# KiCad board gd rev3.kicad_pcb (continued)
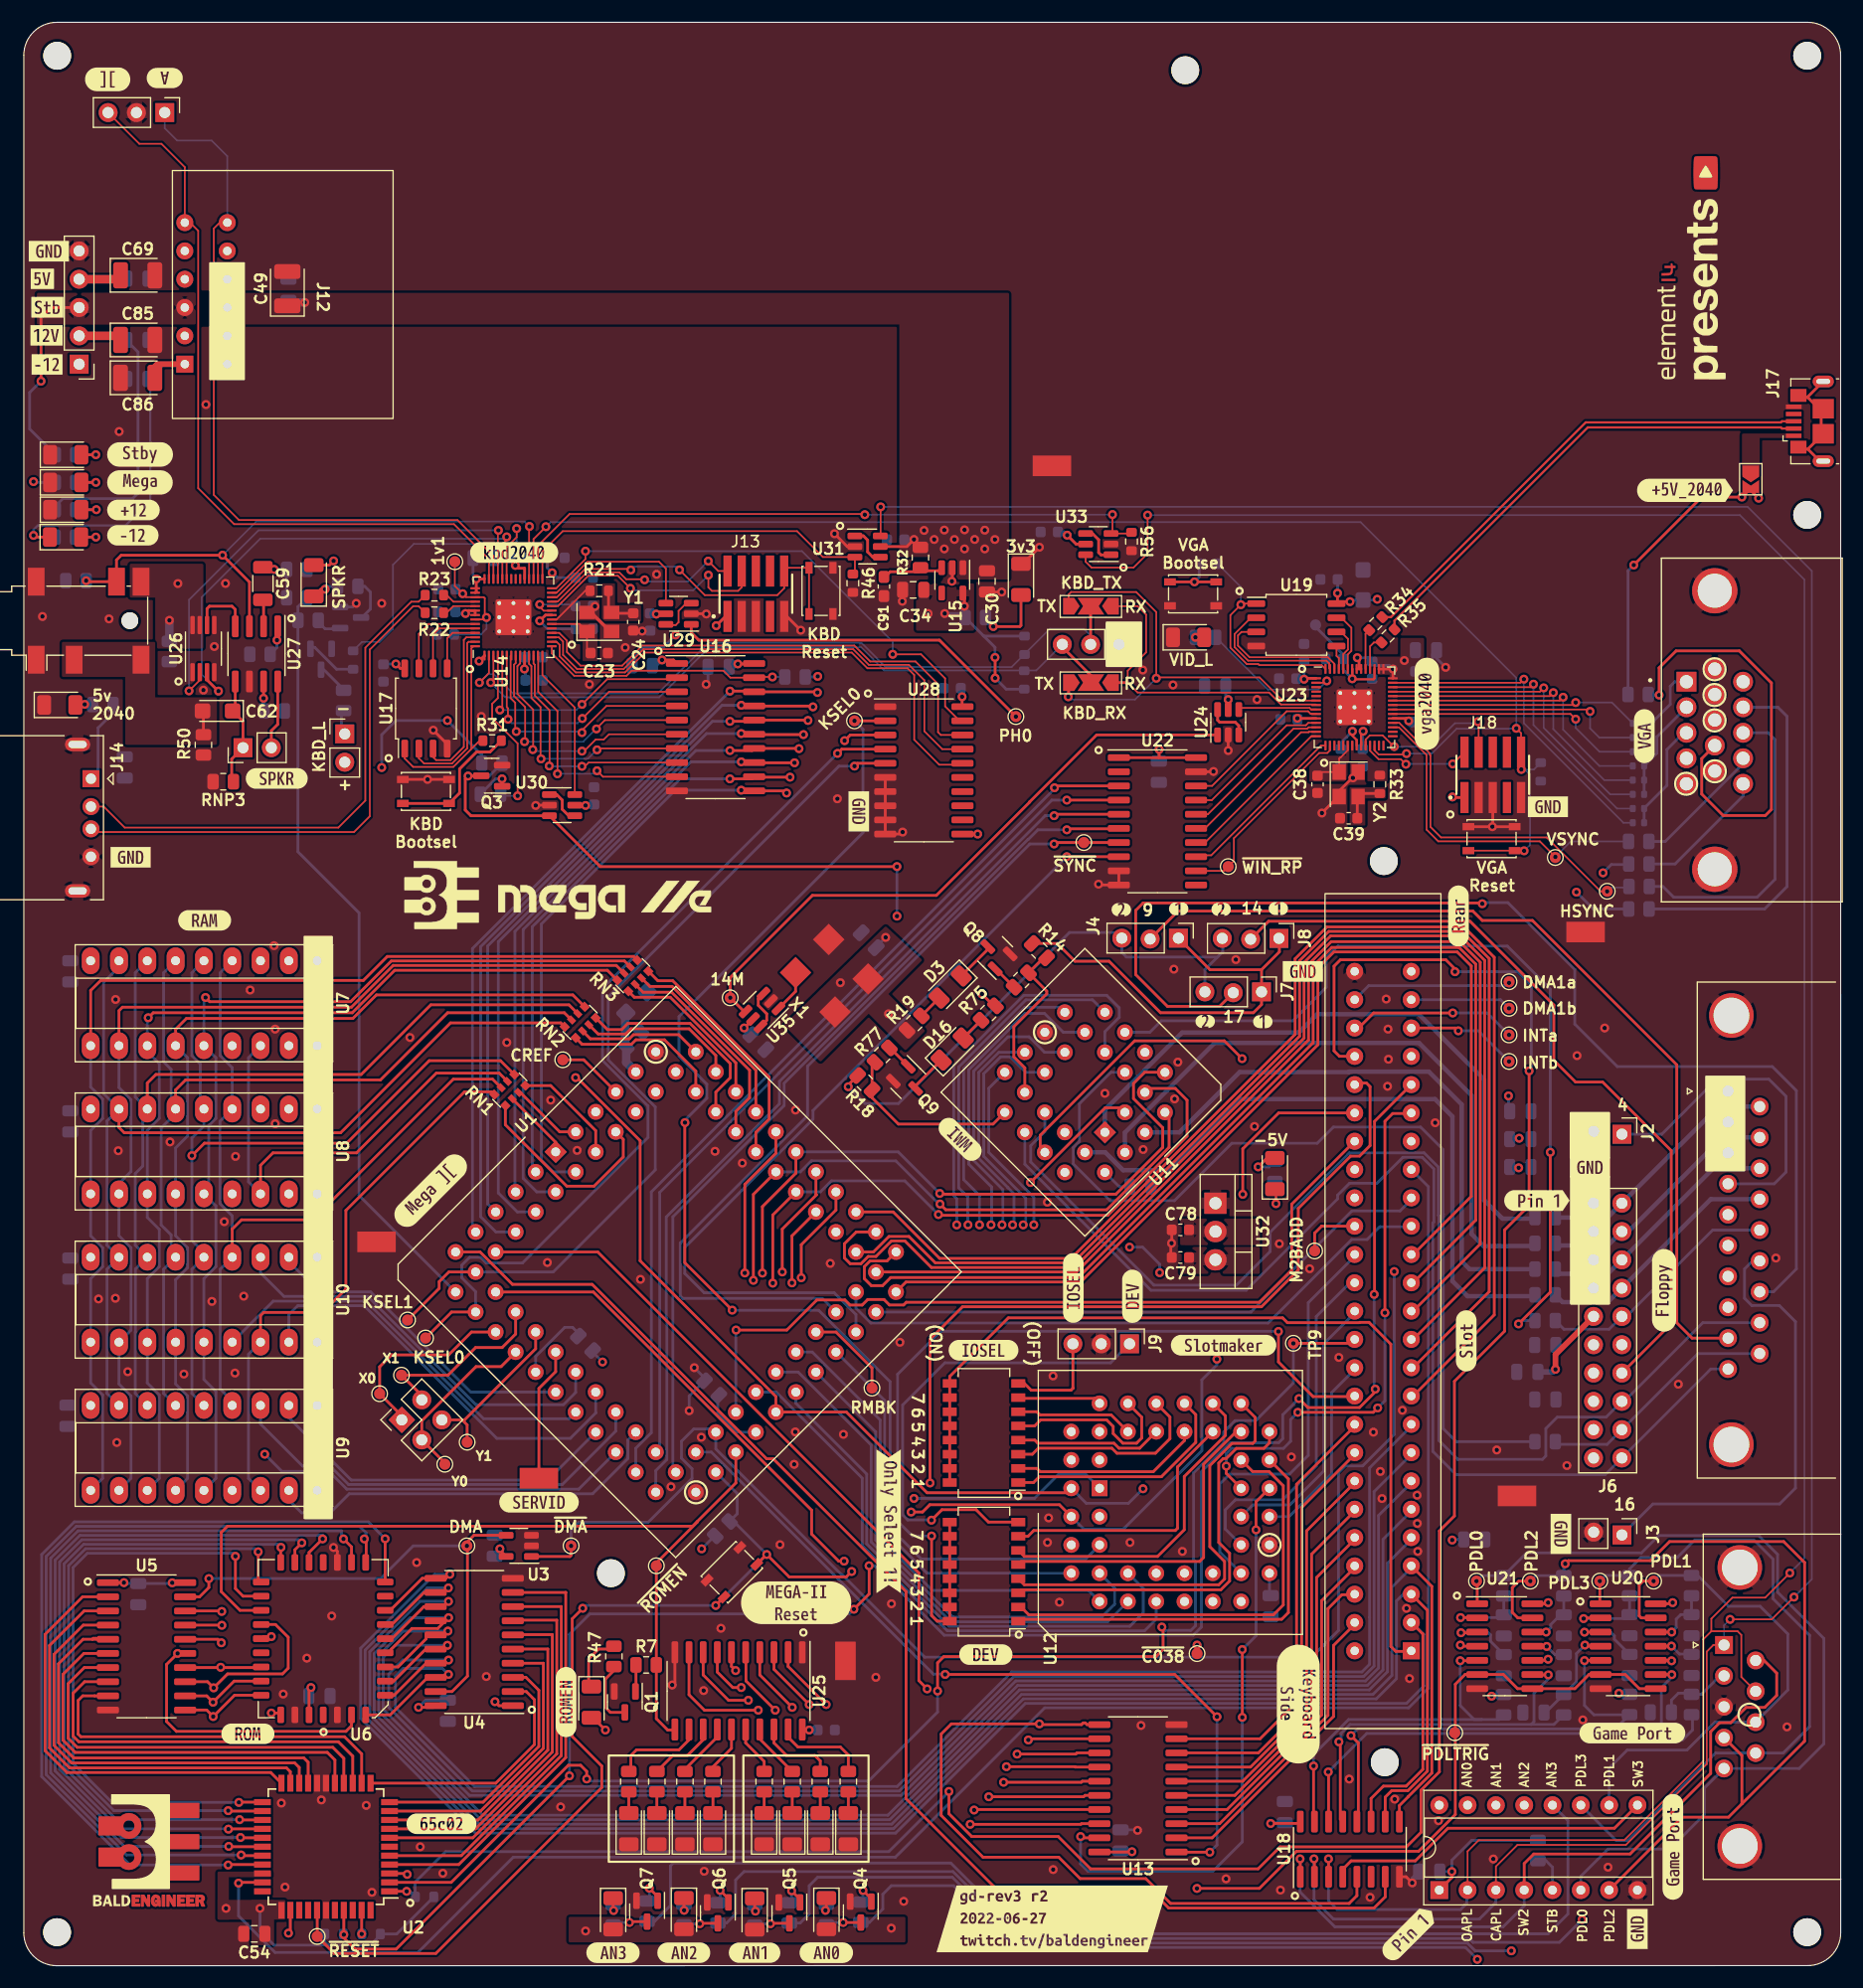
[diagram p0: board, top side]
## Nets (continued)
/Slot/AN3: J11.12 R67.2 U12.17
/Slot/B7M: J10.36 U12.19
/Slot/BPH0: J10.40 U12.22
/Slot/BPH1: J10.38 U12.23
/Slot/BQ3: J10.37 U12.21
/Slot/DMA1a: J10.27 TP4.1
/Slot/DMA1b: J10.24 TP7.1
/Slot/INTa: J10.28 TP5.1
/Slot/INTb: J10.23 TP6.1
/Slot/M2BADD_(NC): J10.35 TP8.1
/Slot/MDI-MDO: U1.36 U13.1
/Slot/PH0: TP20.1 U1.81 U2.35 U12.1 U28.11 U29.1
/Slot/RW: J10.18 U1.41 U2.32 U12.44 U28.3
/Slot/S0: U1.42 U12.11
/Slot/S1: U1.43 U12.10
/Slot/S2: U1.44 U12.9
/Slot/S3: U1.45 U12.8
/Slot/S4: U1.46 U12.7
/Slot/S5: U1.47 U12.6
/Slot/SDBUS0: J10.49 U13.2
/Slot/SDBUS1: J10.48 U13.3
/Slot/SDBUS2: J10.47 U13.4
/Slot/SDBUS3: J10.46 U13.5
/Slot/SDBUS4: J10.45 U13.6
/Slot/SDBUS5: J10.44 U13.7
/Slot/SDBUS6: J10.43 U13.8
/Slot/SDBUS7: J10.42 U13.9
/Slot/SYNC_6502: J10.39 TP9.1 U2.2
/Slot/~{C038}: TP16.1 U12.13
/Slot/~{DEV1}: SW2.1 U12.26
/Slot/~{DEV2}: SW2.2 U12.27
/Slot/~{DEV3}: SW2.3 U12.28
/Slot/~{DEV4}: SW2.4 U12.29
/Slot/~{DEV5}: SW2.5 U12.30
/Slot/~{DEV6}: SW2.6 U12.31
/Slot/~{DEV7}: SW2.7 U12.32
/Slot/~{DEVx}: J9.1 SW2.8
/Slot/~{DEV}: J10.41 SW2.9 SW2.10 SW2.11 SW2.12 SW2.13 SW2.14 SW2.15 SW2.16
/Slot/~{DMA}: J10.22 TP26.1 U1.38 U3.1
/Slot/~{EN245}: U12.24 U13.19
/Slot/~{INH}: J10.32 U1.40
/Slot/~{INTDEV1}: U12.40
/Slot/~{INTDEV2}: U12.41
/Slot/~{INTDEV5}: U12.42
/Slot/~{INTDEV7}: U12.43
/Slot/~{IOSEL1}: SW3.1 U12.33
/Slot/~{IOSEL2}: SW3.2 U12.34
/Slot/~{IOSEL3}: SW3.3 U12.35
/Slot/~{IOSEL4}: SW3.4 U12.36
/Slot/~{IOSEL5}: SW3.5 U12.37
/Slot/~{IOSEL6}: SW3.6 U12.38
/Slot/~{IOSEL7}: SW3.7 U12.39
/Slot/~{IOSELx}: J9.3 SW3.8
/Slot/~{IOSEL}: J10.1 SW3.9 SW3.10 SW3.11 SW3.12 SW3.13 SW3.14 SW3.15 SW3.16
/Slot/~{IOSTRB}: J10.20 U12.25
/Slot/~{IRQ}: J10.30 R1.2 U1.15 U2.43
/Slot/~{NMI}: J10.29 R2.2 U2.1
/Slot/~{RDY}: J10.21 R3.2 U2.41
/VID_RX: JP1.1 JP2.1 U23.7
/VID_TX: JP1.3 JP2.3 U23.6
/video/14M_RP: U23.8 U24.4
/video/BLU0: R38.2 U23.41
/video/BLU1: R39.2 U23.40
/video/D_N: R35.2 U23.46
/video/D_P: R34.2 U23.47
/video/GRN0: R40.2 U23.39
/video/GRN1: R41.2 U23.38
/video/GRN2: R42.2 U23.37
/video/HSYNC: R54.2 TP24.1 U23.32
/video/RED0: R43.2 U23.36
/video/RED1: R44.2 U23.35
/video/RED2: R45.2 U23.34
/video/RGB1_RP: U22.14 U23.14
/video/RGB2_RP: U22.15 U23.13
/video/RGB4_RP: U22.16 U23.12
/video/RGB8_RP: U22.17 U23.11
/video/USB_D+: J17.3 R34.1
/video/USB_D-: J17.2 R35.1
/video/VGA_B: J22.3 R38.1 R39.1
/video/VGA_G: J22.2 R40.1 R41.1 R42.1
/video/VGA_R: J22.1 R43.1 R44.1 R45.1
/video/VGA_SCL: J22.15 RNP2.1
/video/VGA_SDA: J22.12 RNP1.1
/video/vid_LED_L: R36.1 U23.2
/video/vid_QSPI_SCLK: U19.6 U23.52
/video/vid_QSPI_SD0: U19.5 U23.53
/video/vid_QSPI_SD1: U19.2 U23.55
/video/vid_QSPI_SD2: U19.3 U23.54
/video/vid_QSPI_SD3: U19.7 U23.51
/video/vid_QSPI_SS: R73.2 U19.1 U23.56
/video/vid_SWCLK: J18.04 U23.24
/video/vid_SWD: J18.02 U23.25
/video/vid_XIN: C38.1 U23.20 Y2.1
/video/vid_XOUT: R33.1 U23.21
/video/VSYNC: R55.2 TP23.1 U23.31
/video/~{RESET_RP}: U22.18 U23.9
/video/~{RESET}: U22.2
/video/~{SYNC_RP}: U22.13 U23.15
/video/~{WINDOW_RP}: TP22.1 U22.12 U23.16
Net-(C24-Pad1): C24.1 R21.2 Y1.3
Net-(C39-Pad1): C39.1 R33.2 Y2.3
Net-(C47-Pad1): C47.1 U20.3
Net-(C52-Pad1): C52.1 U21.3
Net-(C53-Pad1): C53.1 R62.2 U21.2
Net-(C59-Pad2): C59.2 U27.2
Net-(C60-Pad1): C60.1 U27.7
Net-(C70-Pad1): C70.1 R63.2 U20.2
Net-(C71-Pad1): C71.1 U20.11
Net-(C72-Pad1): C72.1 U21.11
Net-(C73-Pad1): C73.1 R70.2 U20.12
Net-(C74-Pad1): C74.1 R71.2 U21.12
Net-(D1-Pad1): D1.1 R47.1
Net-(D2-Pad1): D2.1 R48.2
Net-(D3-Pad1): D3.1 Q8.3
Net-(D3-Pad2): D3.2 R19.2
Net-(D4-Pad2): D4.2 R27.2
Net-(D5-Pad2): D5.2 R28.2
Net-(D6-Pad2): D6.2 R29.2
Net-(D7-Pad2): D7.2 R26.2
Net-(D8-Pad2): D8.2 R51.2
Net-(D10-Pad2): D10.2 R30.2
Net-(D11-Pad2): D11.2 R36.2
Net-(D12-Pad1): D12.1 R58.1
Net-(D13-Pad1): D13.1 R64.1
Net-(D14-Pad1): D14.1 R66.1
Net-(D15-Pad1): D15.1 R72.1
Net-(D16-Pad1): D16.1 Q9.3
Net-(D16-Pad2): D16.2 R75.2
Net-(D17-Pad2): D17.2 R74.2
Net-(D18-Pad2): D18.2 R78.2
Net-(D19-Pad2): D19.2 R81.2
Net-(D20-Pad2): D20.2 R82.2
Net-(D21-Pad2): D21.2 R85.2
Net-(D22-Pad2): D22.2 R86.2
Net-(D23-Pad2): D23.2 R89.2
Net-(D24-Pad2): D24.2 R90.2
Net-(D25-Pad2): D25.2 R83.2
Net-(J4-Pad2): J4.2 J5.9
Net-(J5-Pad17): J5.17 J7.2
Net-(J6-Pad14): J6.14 J8.2
Net-(J17-Pad1): J17.1 JP3.1
Net-(J22-Pad9): J22.9 R37.2
Net-(J22-Pad13): J22.13 R54.1
Net-(J22-Pad14): J22.14 R55.1
Net-(Q1-Pad1): Q1.1 R7.1
Net-(Q1-Pad3): Q1.3 R47.2
Net-(Q2-Pad1): Q2.1 R10.1
Net-(Q2-Pad3): Q2.3 R48.1
Net-(Q3-Pad1): Q3.1 R52.1
Net-(Q4-Pad1): Q4.1 R57.1
Net-(Q4-Pad3): Q4.3 R58.2
Net-(Q5-Pad1): Q5.1 R61.1
Net-(Q5-Pad3): Q5.3 R64.2
Net-(Q6-Pad1): Q6.1 R65.1
Net-(Q6-Pad3): Q6.3 R66.2
Net-(Q7-Pad1): Q7.1 R67.1
Net-(Q7-Pad3): Q7.3 R72.2
Net-(Q8-Pad1): Q8.1 R76.2
Net-(Q9-Pad1): Q9.1 R77.2
Net-(Q10-Pad1): Q10.1 R84.1
Net-(R24-Pad2): R24.2 U16.1
Net-(R31-Pad1): R31.1 SW5.2
Net-(R73-Pad1): R73.1 SW6.2
Net-(R74-Pad1): R74.1 U25.12
Net-(R78-Pad1): R78.1 U25.16
Net-(R80-Pad1): J24.1 R80.1
Net-(R80-Pad2): Q10.3 R80.2
Net-(R81-Pad1): R81.1 U25.13
Net-(R82-Pad1): R82.1 U25.17
Net-(R85-Pad1): R85.1 U25.14
Net-(R86-Pad1): R86.1 U25.18
Net-(R89-Pad1): R89.1 U25.15
Net-(R90-Pad1): R90.1 U25.19
Net-(U15-Pad3): C91.1 R32.2 U15.3
Net-(U24-Pad3): U24.3 U24.6
Net-(U30-Pad1): U30.1 U30.4
Net-(U31-Pad1): U31.1 U31.4
Net-(U33-Pad1): U33.1 U33.4
Net-(U35-Pad3): U35.3 U35.6

Pads without a net: J6 19; J10 19; J11 16; J12 9 10; J13 06 07 08; J17 4 6; J18 06 07 08; J22 4 11; U2 6 33 36 37 40 42 44; U6 1 12 17 26; U14 34 35 36; U15 4; U18 6; U22 11; U23 3 4 5 17 18 27 28 29 30; U28 12 13 14 15

## Via types
v1: diameter 0.8, hole 0.4, Top to Bottom, 543 vias

## Routing (per net, layer and track width the routed paths; a pad name or vN(x,y) marks a point on that pad's centre or on a via; arc(x,y) is an arc through that point)
+1V1: length 24.4
  Top w0.152: v1(46.29,122.14) 46.29,121.94 46.64,121.58 47.36,121.58 ; U14.50 41.18,120.79 41.36,120.97 41.36,122.7 41.27,122.79 U14.45 ; 40.04,122.8 39.68,122.8 v1(39.38,123.1) 38.67,123.81 TP33.1
  In2.Cu w0.152: v1(41.51,120.97) 41.51,122.78 41.96,123.23 45.88,123.23 46.29,122.82 v1(46.29,122.14)
  Bottom w0.152: v1(41.51,120.97) 41.51,119.95 41,119.45 C22.1 ; 49.38,122.14 v1(46.29,122.14)
  Bottom w0.25: 38.97,123.51 v1(39.38,123.1)
+1V2: length 20.7
  Top w0.203: v1(120.17,110.77) 119.99,110.59 U23.23 ; U23.50 119.2,116.34 119.2,115.48 119.25,115.43 121.1,115.43 121.19,115.52 U23.45
  Top w0.25: v1(119.19,115.47) 119.2,115.48
  In2.Cu w0.25: v1(120.17,110.77) 120.97,110.77 121.48,111.28 121.48,115.03 121.03,115.47 v1(119.19,115.47)
  Bottom w0.25: v1(120.17,110.77) 120.13,110.73 120.13,109.16 ; v1(119.19,115.47) 118.36,116.3 C43.1 118.36,117.66 115.92,120.1 115.92,120.3
+3V3: length 88.9
  Top w0.203: U23.48 U23.49 ; U23.22 119.59,109.98 119.06,110.51
  Top w0.25: v1(56.75,121.28) 57.58,121.28 ; v1(101.86,109.13) 101.86,108.42 101.84,108.4 ; v1(119.64,117.36) 119.8,117.21 119.8,116.35 ; U24.5 v1(108.06,113.61) ; v1(114.27,111.93) 114.28,111.92 U23.10 ; U14.1 41.33,117.54 v1(40.85,117.06) ; U22.1 101.84,108.4 ; 101.84,108.4 U22.20 ; 117.78,122.22 117.95,122.39 v1(118.98,122.39) ; v1(50.4,104.11) 49.47,104.11 ; v1(44.1,125.64) 44.36,125.39 44.92,125.39 44.93,125.37 U14.33 ; v1(44.92,116.35) 44.93,116.37 U14.10 ; v1(84.39,121.99) 84.39,123.03 ; v1(117.87,123.16) 117.87,122.31 ; U14.22 46.81,121.19 v1(46.29,120.67) ; v1(87.14,117.39) 87.15,117.38 v1(87.15,115.54) ; U14.44 40.6,123.29 v1(40.6,124.43) 40.6,124.43 U14.42 ; 62.96,121.07 v1(62.13,120.24) ; J18.01 128.23,104.82 v1(128.18,104.87) ; U17.8 33.79,116.4 v1(33.38,116.81) ; U23.44 121.59,116.35 v1(122.84,116.35) 122.84,115.54 U23.42 ; U23.1 114.95,115.52 v1(114.87,115.43) ; v1(119.21,110.76) 119.06,110.61 119.06,110.51 ; v1(84.18,113.86) 84.18,113 ; U23.33 124.03,111.92 v1(124.26,111.69) ; U14.49 U14.48 39.9,121.59 v1(39.63,121.33)
  Bottom w0.25: v1(50.4,104.11) 50.49,104.19 C76.1 ; v1(40.6,124.43) 40.31,124.71 C26.1 ; v1(39.63,121.33) 38.88,121.33 ; C25.1 46.97,125.42 v1(47.41,124.98) 47.84,124.55 C33.1 ; C40.1 117.88,123.17 v1(117.87,123.16) ; v1(141.69,98.06) 142.44,98.81 143.81,98.81 ; RDNP1.1 86.13,119.3 86.09,119.35 ; 118.17,109.16 118.17,109.72 v1(119.21,110.76) ; 124.36,111.59 v1(124.26,111.69) ; v1(101.86,109.13) 101.84,109.11 101.84,108.08 ; C31.1 45.01,116.26 v1(44.92,116.35) 44.92,117.33 ; 86.09,119.35 87.14,118.29 v1(87.14,117.39) ; 86.09,119.35 R51.1 84.46,121.92 v1(84.39,121.99) ; 49.63,119.95 47,119.95 v1(46.29,120.67) ; C77.1 56.69,121.34 v1(56.75,121.28) ; v1(84.18,113.86) 84.07,113.97 C82.1 ; v1(122.84,116.35) 122.53,116.67 121.33,116.67 120.63,117.36 v1(119.64,117.36) ; C51.1 107.84,113.83 v1(108.06,113.61) ; 43.67,126.08 v1(44.1,125.64) ; v1(139.3,96.33) 140.82,94.82 143.54,94.82 143.98,95.26 ; v1(82.63,121.33) 84.1,121.33 ; RDNP2.1 88.14,114.54 v1(87.15,115.54) ; v1(114.87,115.43) C68.1 ; v1(121.44,122.61) 121.36,122.54 C35.1 119.13,122.54 v1(118.98,122.39) ; v1(33.38,116.81) 32.31,116.81
  vias: v1(81.14,121.33) v1(123.86,117.11)
+5V: length 170.2
  Top w0.25: v1(70.47,21.15) 70.42,21.19 U25.20 ; U6.32 25.59,24.79 v1(25.76,24.96) ; v1(27.8,126.05) 27.42,125.67 D2.2 ; U20.14 147.84,32.48 v1(147.94,32.58) ; U13.20 99.4,10.2 v1(99.42,10.23) ; v1(147.84,27.36) 147.8,27.4 U20.10 ; U3.5 42.72,37.28 v1(42.72,37.41) ; v1(128.89,28.77) 128.99,28.67 U21.4 ; v1(42.27,23.69) 42.63,23.33 U4.1 ; v1(136.76,32.58) 136.66,32.48 U21.14 ; v1(34.4,8.19) 34.32,8.28 U2.3 ; U5.1 v1(8.99,34.37) ; J11.1 128.13,7.92 v1(128.13,8.45) ; v1(140.06,28.77) 140.17,28.67 U20.4 ; v1(13.32,34.36) 14.46,34.36 ; U6.25 21.49,29.53 v1(22.21,29.53) ; v1(35.42,23.18) 36.8,23.18 ; v1(136.76,27.5) 136.66,27.4 U21.10 ; v1(111.87,12.77) 114.36,12.77 ; 65.43,84.94 v1(64.63,84.14) ; 51.08,22.25 v1(52.18,21.15) ; 87.02,86.13 v1(85.96,87.19)
  Top w0.762: 8.25,151.32 4.97,151.32
  In1.Cu w0.25: v1(13.83,124.02) 13.83,128.59 10.52,131.89 1.63,131.89 0.87,132.65 v1(0.87,133.16)
  In2.Cu w0.25: v1(60.82,37.4) 59.29,37.4 58.78,36.9 59.07,36.61 59.07,23.21 ; 46.52,45.28 52.3,51.06 52.3,53.79 v1(51.93,54.17)
  Bottom w0.25: v1(70.47,21.15) C65.1 ; 27.29,1.84 22.46,1.84 21.19,3.11 v1(21.19,5.15) ; 27.29,1.84 27.01,2.12 R3.1 ; 27.29,1.84 31.1,1.84 31.99,2.74 ; R2.1 33.46,2.85 R1.1 ; C1.1 36.06,23.83 v1(35.42,23.18) ; C84.1 111.94,12.83 v1(111.87,12.77) ; v1(99.42,10.23) 98.47,10.23 ; v1(25.76,24.96) 25.76,24.38 ; R68.1 150.52,24.35 152.18,26.01 ; v1(140.06,28.77) 139.3,28.01 139.3,25.49 R69.1 136.53,22.72 ; v1(131.69,24.18) 131.84,24.33 R60.1 ; C12.1 98.26,69.92 U11.26 ; v1(13.32,34.36) 13.25,34.29 C2.1 9.07,34.29 v1(8.99,34.37) ; 42.25,36.94 v1(42.72,37.41) ; 61.98,38.57 v1(60.82,37.4) ; R20.1 129.91,11.25 128.13,9.46 v1(128.13,8.45) C83.1 ; 149.53,24.45 148.45,24.45 147.83,23.83 C80.1 ; v1(64.63,84.14) C75.1 ; v1(0.87,133.16) 0.94,133.09 R29.1 ; C61.1 22.72,118.28 v1(22.72,118.94) ; v1(133.21,78.04) 133.21,76.78 ; 51.04,55.05 v1(51.93,54.17) ; R59.1 143.21,24.35 v1(143.11,24.45) ; 8.81,151.68 8.45,151.32 ; 76.47,91.42 v1(77.33,92.27) ; U12.18 111.76,33.32
  Bottom w0.762: U1.77 54.05,81.06 C4.1 ; C58.1 v1(13.06,120.72) ; 53.96,85.35 53.96,82.54 ; 8.45,151.32 4.97,151.32
  vias: v1(18.14,5.15) v1(50.4,3.11) v1(73.26,88.2) v1(77.58,85.41) v1(77.83,3.37)
+5V_2040: length 140.3
  Top w0.25: U31.5 79.23,127.34 v1(79.87,127.97) ; U33.5 94.42,127.56 v1(93.62,128.36) ; v1(144.45,125.68) 150.55,131.78 v1(154.15,131.78) 154.95,132.58 ; J15.3 2.45,148.78 1.55,147.88 v1(1.55,142.18) ; 154.95,132.38 v1(155.65,131.68) ; v1(64.07,116.81) 65.49,116.81
  In2.Cu w0.25: 82.2,127.93 76.05,127.93 71.23,123.11 v1(71.23,115.69) 71.23,116.04 70.47,116.81 64.07,116.81 v1(64.07,116.81) 61.48,119.4 v1(58.48,119.4) 56.7,119.4 54.26,116.96 51.01,116.96 47.86,113.81 39.53,113.81 38.01,112.28 v1(38.01,111.73)
  Bottom w0.25: C41.1 93.33,128.65 v1(93.62,128.36) ; v1(1.55,142.18) 0.53,141.16 0.53,137.88 R30.1 ; R37.1 143.93,125.16 v1(144.45,125.68) ; R25.1 71.18,115.64 v1(71.23,115.69) ; C6.1 63.81,116.55 v1(64.07,116.81) ; 6.66,107.14 6.66,111.06 8.01,112.41 R26.1 ; v1(79.87,127.97) 79.84,127.95 C36.1 ; v1(58.48,119.4) 57.41,118.33 55.69,118.33 54.57,117.21 ; R53.2 41.09,108.64 v1(38.01,111.73) 33.38,111.73 32.11,110.46 v1(32.11,107.51)
  Bottom w0.762: v1(25.21,149.24) 23.85,149.24
  vias: v1(80.77,128.79) v1(81.68,127.97) v1(82.59,128.82) v1(82.59,127.13) v1(83.5,127.97) v1(84.4,128.84) v1(84.4,127.13) v1(85.31,127.97) v1(86.22,128.81) v1(86.22,127.13) v1(87.13,127.97)
+12V: length 31
  Top w0.762: 4.97,146.24 8.34,146.24 8.71,145.88
  Bottom w0.25: C17.1 128.21,38.25 v1(128.16,38.2) ; C89.1 10.25,144.79 10.25,132.12 9.76,131.64 3.51,131.64 2.83,130.96
  Bottom w0.762: 8.94,146.24 4.97,146.24
-5V: length 39.6
  Top w0.203: 112.25,68.48 112.35,68.58 112.35,69.58
  Top w0.508: 112.25,68.48 v1(112.35,68.38)
  In1.Cu w0.203: v1(112.35,68.38) 112.87,68.9 J10.34
  In2.Cu w0.508: 119.72,68.9 120.99,70.17 127.99,70.17 129.41,71.59 v1(134.12,71.59) ; U32.3 113.85,63.34 J10.34
  Bottom w0.508: v1(134.12,71.59) 133.39,71.59
-12V: length 332.4
  Top w0.25: v1(0.87,128.34) 1.03,128.18 D4.1
  Top w0.508: 11.78,142.48 11.78,143.51 11.97,143.7 J12.1 ; J6.9 137.42,54.84 v1(137.42,53.51)
  In1.Cu w0.508: J6.9 142.09,57 146.86,57 148.19,58.33 148.19,67.41 ; 5.24,143.98 14.17,143.98 ; 148.19,67.41 148.21,67.39 J5.5 ; 148.19,67.41 147.6,68.01 147.6,141.38 146.92,142.05 16.17,142.05 14.52,143.7
  In2.Cu w0.508: J6.9 139.23,58.26 138.65,58.84 138.65,73.21 137.56,74.3 134.22,74.3 v1(134.17,74.25) 129.14,74.25 127.57,72.68 120.65,72.68 J10.33 113.85,65.88 U32.2
  Bottom w0.203: 11.35,142.26 11.35,131.44 9.13,129.23 1.25,129.23 0.87,128.84 v1(0.87,128.34)
  Bottom w0.508: v1(134.17,74.25) 133.4,74.25 ; 11.58,142.38 11.58,142.91 12.37,143.7 J12.1 ; C13.1 137.19,53.28 v1(137.42,53.51)
GND: length 68.5
  Top w0.25: U29.2 61.22,121.31 v1(61.24,121.29) ; v1(87.74,123.26) 87.73,123.26 C30.2 ; C34.2 78.82,123.43 v1(78.82,122.43) ; v1(96.43,97.04) 96.5,96.97 U22.10 U22.9 ; v1(58.18,25.19) 58.42,25.43 U25.10 ; 118.02,105.4 Y2.4 ; SW5.1 36.23,106.44 v1(36.23,106.44) 36.23,106.44 SW5.1 ; v1(72.74,128.49) 73.89,127.34 U31.2 ; U6.16 28.13,37.18 v1(27.79,37.53) ; U28.6 U28.10 78.67,101.54 v1(78.85,101.72) ; U30.2 45.96,104.13 v1(45.93,104.11) ; v1(83.27,124.22) 83.3,124.25 U15.2 ; 117.94,104.9 v1(116.47,103.43) ; v1(131.76,102.2) 131.8,102.24 J18.05 ; v1(131.76,102.2) 129.61,102.2 ; v1(131.76,102.2) SW7.1 ; U24.2 v1(108.06,109.03) ; v1(55.48,119.75) 54.73,119.75 ; U22.19 106.71,107.13 v1(106.74,107.15) ; 123.42,7.98 124.02,7.98 v1(124.57,7.43) ; 37.99,109.61 v1(36.74,110.86) ; 68.46,121.07 v1(69.71,119.83) ; 89.63,125.79 v1(91.12,127.28) ; 102.91,63.55 102.91,64.76 v1(102.98,64.83) 103,64.85 C78.2
  Top w0.3: 51,121.32 52.6,119.72
  Bottom w0.25: C6.2 61.39,115.14 v1(61.22,114.98) ; v1(29.83,122.24) 29.51,121.92 Q2.2 ; C77.2 55.52,119.79 v1(55.48,119.75) ; R6.2 59.7,51.11 v1(59.7,49.8) ; C66.2 126.38,117.66 ; C83.2 124.57,7.87 v1(124.57,7.43) ; v1(127.57,116.5) 126.76,117.31 C37.2 ; 61.07,52.75 v1(60.16,53.66) ; C55.2 99.88,12.19 v1(99.93,12.15)
  vias: v1(1.68,121.06) v1(6.71,59.83) v1(7.65,120.85) v1(8.24,86.7) v1(8.22,59.89) v1(8.35,46.95) v1(8.48,73.13) v1(8.56,137.66) v1(9.33,53.3) v1(13.12,73.92) v1(14.37,53.09) v1(16.12,114.46) v1(16.35,140.08) v1(16.88,59.61) v1(17.1,118.37) v1(17.99,66.76) v1(18.1,124.03) v1(19,72.62) v1(18.95,53.18) v1(19.74,60.08) v1(20.31,87.55) v1(22.46,91.53) v1(22.56,84.04) v1(22.56,75.55) v1(23.11,14.6) v1(23.28,24.38) v1(23.44,7.06) v1(25.4,27.6) v1(26.7,14.88) v1(27.63,31.38) v1(30.73,14.39) v1(31.24,6.59) v1(32.11,122.24) v1(34.65,83.29) v1(35.25,36.18) v1(35.57,10.67) v1(37.6,8.3) v1(41.05,112.1) v1(41.5,25.95) v1(43.34,82.84) v1(46.98,63.1) v1(47.28,77.67) v1(48.17,14.25) v1(49.65,73.16) v1(50.75,114.98) v1(51.25,121.98) v1(53.96,118.28) v1(55.33,61.59) v1(56.78,124.85) v1(58.07,42.98) v1(60.79,47.42) v1(61,24.69) v1(61.05,8.48) v1(62.02,73.08) v1(62.55,30.28) v1(64.47,72.02) v1(67.85,37.78) v1(69.12,44.99) v1(69.24,76.78) v1(69.22,47.9) v1(72.36,63.02) v1(73,104.71) v1(73.54,47.68) v1(76.45,25.88) v1(77.85,32.48) v1(78.61,55.94) v1(78.95,5.78) v1(91.84,68.51) v1(91.85,37.98) v1(91.95,40.18) v1(92.35,52.92) v1(92.36,8.63) v1(92.92,32.62) v1(97,78.28) v1(99.25,37.98) v1(100.24,21.56) v1(100.4,116.26) v1(100.43,73.24) v1(103.11,114.92) v1(103.19,89.42) v1(103.25,77.78) v1(103.55,81.08) v1(103.95,37.18) v1(107.87,7.8) v1(108.75,90.28) v1(110.42,75.31) v1(110.65,113.61) v1(112.65,64.78) v1(112.75,6.79) v1(113.73,45.65) v1(115.37,62.54) v1(117.99,54.58) v1(118.92,16.75) v1(119.25,106.58) v1(120.79,6.14) v1(121.09,47.88) v1(121.71,44.35) v1(121.86,41.92) v1(122.24,86.74) v1(122.36,78.91) v1(122.4,84.04) v1(122.44,81.34) v1(123,14.95) v1(123.69,49.84) v1(124.06,32.07) v1(124.33,25.77) v1(125.01,42.22) v1(125.03,39.69) v1(125.07,37.18) v1(126.63,75.64) v1(126.93,13.01) v1(131.85,9.58) v1(132.16,46.28) v1(138.45,44.88) v1(139.36,81.66) v1(139.88,22.06) v1(141.84,84.14) v1(142.14,8.84) v1(148.45,52.18) v1(157.2,63.5) v1(158.2,21.43)
/Audio/AUD_SCL: length 44.2
  Top w0.152: 42.54,124.43 42.54,128.75 v1(42.58,128.79) ; 15.79,115.35 v1(14.83,114.39)
  Bottom w0.152: v1(42.58,128.79) 21.06,128.79 14.83,122.56 v1(14.83,114.39)
/Audio/AUD_SDA: length 44.7
  Top w0.152: v1(43.33,128.21) 43.33,127.93 42.94,127.54 42.94,124.43
  Top w0.25: U26.3 16.44,115.37 17.44,114.37 v1(17.47,114.37)
  Bottom w0.152: v1(43.33,128.21) 43.17,128.04 21.21,128.04 15.97,122.8 15.97,115.87 v1(17.47,114.37)
/Audio/DC_Vol: length 5.7
  Top w0.25: U26.6 16.44,121.77 16.66,121.98 18.68,121.98 18.97,121.69 U27.4
/Audio/EAR: length 2.1
  Top w0.25: R50.1 16.12,112.51
/Audio/HP_Sense: length 55.5
  Top w0.152: 45.34,124.43 45.34,129.11 v1(45.37,129.14)
  Top w0.25: v1(5.6,124.27) 5.68,124.19 J20.6 8.32,126.13 8.75,126.56 v1(17.83,126.56) 20.24,124.15 U27.3
  Bottom w0.152: v1(45.37,129.14) 44.92,129.58 20.86,129.58 v1(17.83,126.56)
/Audio/SCALE_AUD: length 4.5
  Top w0.25: v1(22.46,125.29) 21.64,125.29
  Bottom w0.25: R8.2 R9.1 v1(22.46,125.29)
/Audio/SPKR: length 68.5
  Bottom w0.25: R8.1 24.6,121.94 R10.2 24.6,99.95 30.08,94.46 30.08,69.11 U1.12
/Audio/Vo1: length 9.4
  Top w0.25: C62.1 19.67,111.66 J19.1 18.65,108.27 18.65,106.39 ; U27.5 18.97,112.83
/Audio/Vo2: length 6.2
  Top w0.25: J19.2 22.21,110.81 22.78,111.39 U27.8
/decoder/~{ROMEN}: length 81.6
  Top w0.25: U1.37 63.89,43.32 60.41,39.84 ; 60.41,39.84 60.41,39.79 56.75,36.13 56.75,22.16 57.77,21.15 58.37,21.15 ; 60.41,39.84 60.01,39.44 18.28,39.44 17.72,38.88 17.72,33.57 19.4,31.89 U6.23
/game_port/CP0: length 32.4
  Top w0.25: v1(128.88,27.37) 130.37,27.37 ; v1(115.72,17.92) 115.72,13.01
  Bottom w0.25: v1(128.88,27.37) 128.88,23.34 130.13,22.09 130.81,22.09 ; 130.81,22.09 118.86,22.09 115.72,18.94 v1(115.72,17.92) ; 130.81,22.09 132.35,22.09 R60.2
/game_port/CP1: length 49.6
  Top w0.25: U20.9 147.85,26.13 v1(147.86,26.12) ; v1(117.04,17.39) 117.07,17.36 U18.14
  Bottom w0.25: 149.72,22.43 149.72,21.15 148.81,20.25 145.26,20.25 ; v1(147.86,26.12) 147.86,25.89 146.92,24.96 146.92,20.61 146.56,20.25 145.26,20.25 ; 145.26,20.25 144.67,20.84 120.49,20.84 v1(117.04,17.39)
/game_port/CP2: length 35.3
  Top w0.25: v1(136.78,26.1) 135.38,26.1 ; v1(117.99,20.09) 118.12,19.97 118.12,13.15 U18.13
  Bottom w0.25: 135.25,21.65 135.49,21.89 135.49,24.45 136.78,25.73 v1(136.78,26.1) ; 135.25,21.65 118.99,21.65 118.18,20.84 118.18,20.28 v1(117.99,20.09) ; 135.25,21.65 137.29,21.65 R69.2
/game_port/CP3: length 43.5
  Top w0.25: v1(119.08,20.65) 119.74,19.99 119.74,13.06 ; U20.5 140.05,27.4 v1(140.03,27.38)
  Bottom w0.25: R59.2 142.79,21.25 119.68,21.25 v1(119.08,20.65) ; v1(140.03,27.38) 140.03,23.36 140.87,22.52 144.06,22.52
/game_port/PDL0: length 79.4
  Top w0.25: U21.1 130.4,34.44
  Bottom w0.25: J11.6 139.7,8.03 142.14,10.47 147.68,10.47 150.8,13.58 150.8,15.95 J23.5 159.29,17.7 161.5,19.9 161.5,29.37 157.35,33.52 157.35,36.9 155.65,38.6 146.7,38.6 145.13,37.04 134.83,37.04 R62.1 130.83,35 v1(130.34,34.51)
/game_port/PDL1: length 46.9
  Top w0.25: U20.13 145.12,31.21 144.94,31.39 144.94,34.17 145.28,34.51 v1(146.23,34.51)
  Bottom w0.25: 150.18,35.02 152.95,32.25 155.78,32.25 158.27,29.76 158.27,24.74 J23.8 151.72,21.85 149.22,19.35 143.86,19.35 142.24,17.73 J11.10 ; R70.1 146.74,35.02 v1(146.23,34.51)
/game_port/PDL2: length 79.2
  Top w0.25: J23.4 154.15,18.86 154.15,14.53 ; J11.7 148.78,13.33 152.95,13.33 154.15,14.53 ; 154.15,14.53 159.78,20.16 159.78,36.18 157.9,38.06 147.66,38.06 145.95,36.35 138.58,36.35 v1(138.3,36.07) ; v1(135.16,34.51) 134.13,34.51 133.55,33.93 133.55,31.71 134.05,31.21 U21.13
  Bottom w0.25: v1(135.16,34.51) 135.65,35 R71.1 138.17,35.94 v1(138.3,36.07)
/game_port/PDL3: length 62.5
  Top w0.25: v1(141.4,34.51) 141.4,32.54
  Bottom w0.25: J11.11 142.85,11.25 143.95,11.25 151.78,19.08 J23.9 157.85,19.08 160.22,21.45 160.22,29.65 156.95,32.93 156.95,36.48 155.22,38.2 149.92,38.2 148.36,36.64 145.11,36.64 144.07,35.6 R63.1 141.91,35.02 v1(141.4,34.51)
/game_port/STB: length 3.6
  Bottom w0.25: J11.5 137.16,8.84 136.57,9.42 R20.2
/game_port/SW0_OAPL: length 239
  Top w0.152: 151.41,30.01 153.76,30.01 154.1,29.68 154.1,25.91 J23.7 ; 151.41,30.01 150.69,29.29 150.69,18.36 143.6,11.27 130.54,11.27 129.54,10.27 J11.2 ; 151.41,30.01 151.41,31.14 153.3,33.03 156.24,33.03 v1(158.45,35.24) ; v1(100.83,130.16) 100.83,126.71 99.57,125.45 95.8,125.45 95.27,125.97 U33.6
  Top w0.25: v1(117.06,9.59) 117.07,9.58 117.07,7.98
  Bottom w0.152: v1(158.45,35.24) 159.76,36.55 159.76,124.37 153.97,130.16 v1(100.83,130.16)
  Bottom w0.25: 129.46,6.71 129.46,5.59 128.91,5.04 117.86,5.04 117.06,5.84 v1(117.06,9.59)
/game_port/SW1_CAPL: length 251.2
  Top w0.152: 76.87,128.3 76.87,130.89 v1(76.88,130.9) ; J11.3 132.08,8.91 134.01,10.84 143.74,10.84 150.99,18.1 150.99,28.18 151.59,28.78 J23.1 ; v1(153.09,31.08) 156.82,31.08 v1(158.82,33.08)
  Top w0.25: 115.8,7.98 115.8,9.6
  Bottom w0.152: J23.1 152.54,30.53 v1(153.09,31.08) ; v1(158.82,33.08) 160.42,34.67 160.42,125.15 154.67,130.9 v1(76.88,130.9)
  Bottom w0.25: J11.3 132.08,5.67 130.6,4.19 117.51,4.19 115.76,5.94 115.76,9.64
  vias: v1(115.76,9.59)
/game_port/SW2: length 65.9
  Top w0.25: 114.53,7.98 114.53,9.52 114.51,9.54 ; J23.6 156.13,27.39 157.27,26.25 157.27,24.25 156.2,23.18 154.52,23.18 153.15,21.8 152.15,21.8 151.35,21 151.35,17.25 144.12,10.03 135.48,10.03 134.62,9.17 J11.4
  Bottom w0.25: J11.4 134.62,5.38 132.73,3.49 117.64,3.49 114.51,6.62 114.51,9.54
  vias: v1(114.51,9.59)
/game_port/SW3: length 28.8
  Top w0.25: 118.34,8.66 119.09,9.41 124.85,9.41 127.78,12.34 142.71,12.34 J11.9
/game_port/~{C060-67}: length 120.9
  Top w0.25: 122.15,7.98 122.15,6.18 121.15,5.18 102.72,5.18 100.86,7.04 87.11,7.04 79.16,14.99 79.16,33.56 67.24,45.48 66.65,45.48 51,61.14 43.84,61.14 40.94,64.04 U1.11
/game_port/~{PDLTRIG}: length 156.8
  Top w0.25: U1.10 51.5,64.04 80.31,35.24 80.31,25.58 v1(81.05,24.84) ; v1(105.26,6.94) 110.86,6.94 114.19,10.27 125.14,10.27 128.44,13.57 128.44,25.26 129.31,26.13 U21.6 132.76,26.13 134.03,24.86 U21.8 139.16,24.86 140.43,26.13 U20.6 143.68,26.13 144.95,24.86 U20.8
  In1.Cu w0.25: v1(81.05,24.84) 80.95,24.94 80.78,24.94 80.78,14.02 83.96,10.84 88.46,10.84 91.91,7.39 104.81,7.39 v1(105.26,6.94)
/IWM/7M: length 83.6
  In1.Cu w0.25: U12.4 95.26,39.04 97.27,39.04 99.18,40.95 99.18,44.52 100.41,45.75 100.41,51.54 97.79,54.15 97.79,57.89 95.35,60.34 95.35,71.22 93.4,73.16 U11.24 91.47,74.78 90.26,75.99 89.22,75.99 88.56,75.33 87.33,75.33 86.44,76.21 74.41,76.21 72.84,77.79 65.2,77.79 64.52,77.11 63.47,77.11 62.78,77.8 61.32,77.8 60.67,77.15 57.97,77.15 U1.78
/IWM/BA0: length 266.2
  Top w0.25: 32.87,31.89 35.75,34.76 37.87,34.76 v1(38.23,35.12) ; v1(90.32,70.28) 97.02,76.98 98.39,76.98 ; v1(64.69,62.16) 64.69,70.11 67.48,72.9 U1.66 ; U18.11 120.88,15.01 121.99,16.12 124.02,16.12 125.53,17.62 125.53,29.76 J10.2
  In1.Cu w0.25: U1.66 85.26,74.82 89.8,70.28 v1(90.32,70.28) ; v1(38.23,35.12) 47.98,25.36 49.73,25.36 67.01,42.64 67.01,48.27 64.69,50.59 v1(64.69,62.16)
  Bottom w0.25: v1(38.23,35.12) 36.86,35.12 30.23,28.49 30.23,22.2 40.53,11.9 78.22,11.9 89.86,23.54 124.06,23.54 125.62,25.1 125.62,29.73 124.6,30.75
/IWM/BA1: length 271.2
  Top w0.25: 102.76,76.2 102.76,73.43 97.16,67.83 82.72,67.83 v1(82.2,68.34) ; U1.65 65.46,69.21 v1(65.46,61.5) ; U18.10 122.15,15.13 122.74,15.72 124.19,15.72 125.93,17.45 125.93,31.9 J10.3 ; U6.10 33.04,30.62 35.92,33.49 37.69,33.49 v1(38.09,33.9)
  In1.Cu w0.25: v1(38.09,33.9) 47.03,24.96 49.9,24.96 67.41,42.48 67.41,48.16 68.55,49.3 68.55,50 65.46,53.09 v1(65.46,61.5)
  Bottom w0.25: J10.3 123.77,33.34 123.16,32.73 123.16,25.75 121.34,23.94 89.68,23.94 78.04,12.3 40.69,12.3 30.63,22.36 30.63,28.32 36.2,33.9 v1(38.09,33.9) ; U1.65 69.67,71.23 70.66,72.22 78.24,72.22 82.11,68.34 v1(82.2,68.34)
/IWM/BA2: length 278.2
  Top w0.25: U18.9 123.42,14.37 124.2,15.14 124.2,15.15 126.33,17.29 126.33,34.03 J10.4 ; U1.64 69.27,71.11 66.27,68.11 v1(66.27,62.15) ; 33.03,29.35 35.9,32.22 37.64,32.22 v1(38.1,32.69) ; v1(82.18,69.29) 82.24,69.23 97.99,69.23 102.19,73.43 102.19,75.19 99.56,77.81 99.56,79.16 100.57,80.17 U11.5
  In1.Cu w0.25: v1(38.1,32.69) 46.23,24.56 50.06,24.56 67.81,42.31 67.81,47.99 69.17,49.35 69.17,50.1 66.27,53 v1(66.27,62.15)